# KiCad board SimulTypeUltra.kicad_pcb (continued)
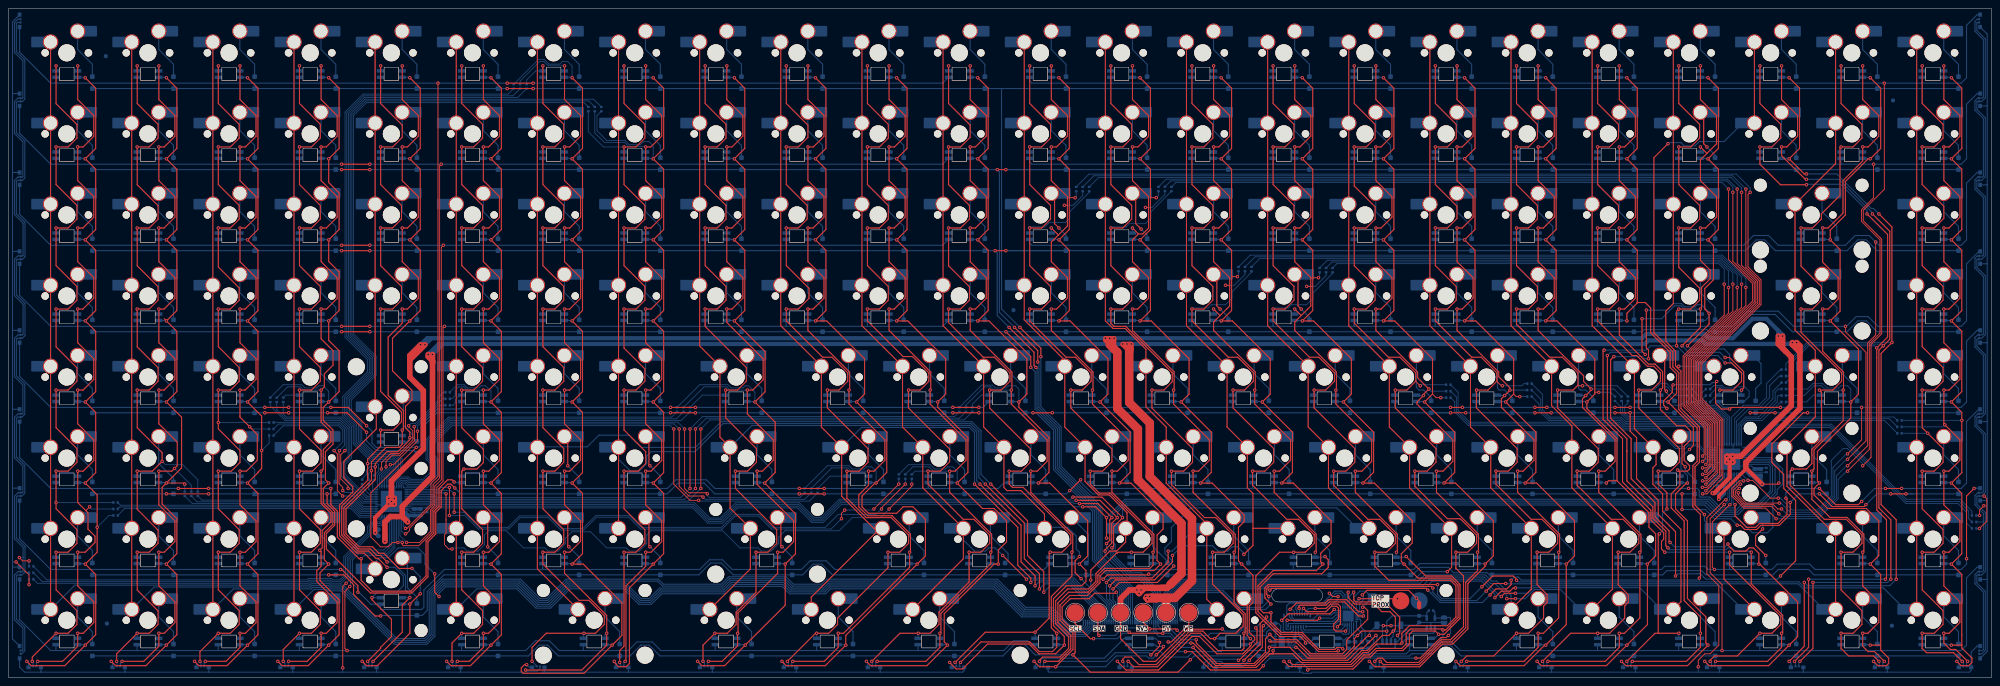
[diagram p0: board, top side]
## Routing (per net, layer and track width the routed paths; a pad name or vN(x,y) marks a point on that pad's centre or on a via; arc(x,y) is an arc through that point) (continued)
COL23: length 388.6
  Top w0.25: SW162.1 SW140.1 SW119.1 SW96.1 SW50.1 SW26.1 SW2.1
  Bottom w0.25: 81.08,18.59 78.41,21.27 75.47,21.27 75.14,21.6 71.26,21.6 70.92,21.26 34.18,21.26 SW162.1 ; 81.08,18.59 81.21,18.46 ; 81.08,18.59 90.97,8.7 97.84,8.7 99.22,10.08 99.22,19.84 102.03,22.64 120.05,22.64 124.6,18.1 126.54,18.1 131.09,22.64 152.39,22.64 153.56,21.47 167.52,21.47 169.26,23.21 182.37,23.21 184.11,21.47 191.1,21.47 192.27,22.64 232.01,22.64 238.61,16.04 244.79,16.04 249.36,11.47 252.14,11.47 252.89,12.22 J1.2
COL24: length 406.9
  Top w0.25: SW161.1 SW139.1 SW118.1 SW95.1 SW49.1 SW25.1 SW1.1
  Bottom w0.25: SW161.1 15.58,21.71 70.73,21.71 71.08,22.05 75.33,22.05 75.66,21.72 78.59,21.72 91.16,9.15 97.66,9.15 98.77,10.26 98.77,20.02 101.84,23.09 120.24,23.09 124.78,18.55 126.36,18.55 130.9,23.09 152.57,23.09 153.75,21.92 167.33,21.92 169.08,23.66 182.55,23.66 184.3,21.92 190.91,21.92 192.09,23.09 232.19,23.09 238.8,16.49 244.98,16.49 249.55,11.92 251.96,11.92 252.39,12.35 J1.1
G1: length 94
  Bottom w0.2: U4.27 88.3,37.11 87.35,36.16 85.5,36.16 84.72,35.38 84.72,33.85 79.13,28.26 79.13,23.73 77.94,22.54 76,22.54 75.67,22.88 70.63,22.88 70.29,22.53 7.92,22.53 R27.2
G2: length 62.6
  Bottom w0.2: R28.2 26.13,40.09 80.58,40.09 82.59,38.08 86.96,38.08 U4.30
G3: length 44.9
  Bottom w0.2: U4.33 82.99,39.38 81.08,41.29 44.27,41.29 R29.2
G4: length 42.4
  Top w0.2: 77.71,53.57 v1(77.71,53.32) 77.6,53.21 77.6,45.55 78.47,44.69 v1(78.47,43.92)
  Bottom w0.2: v1(77.71,53.32) 78.87,54.48 78.87,58.31 77.62,59.56 63.38,59.56 R30.2 ; v1(78.47,43.92) 78.92,43.48 80.59,43.48 83.09,40.98 U4.37
G5: length 42.6
  Bottom w0.2: U4.40 84.01,42.18 78.62,47.57 78.62,50.22 80.14,51.75 80.14,58.74 78.09,60.79 65.1,60.79 62.98,62.92 R31.2
G6: length 3.4
  Bottom w0.2: U4.43 85.42,43.38 84.57,44.23 R32.2
G7: length 28.7
  Top w0.2: v1(88.63,49.51) 88.63,50.78 90.09,52.24 91.93,52.24 95.32,55.63 95.32,58.82 v1(95.24,58.91)
  Bottom w0.2: R33.2 101.9,65.51 95.66,59.27 95.6,59.27 v1(95.24,58.91) ; v1(88.63,49.51) 88.63,49.01 87.1,47.48 U4.46
G8: length 144.5
  Bottom w0.2: R34.2 118.43,136.71 83.4,136.71 79.41,132.72 79.41,80.12 84.72,74.82 84.72,71.7 78.87,65.86 78.87,61.71 81.34,59.24 81.34,55.08 85.24,51.18 90.32,51.18 90.81,50.69 90.81,49.49 88.3,46.99 U4.49
G9: length 160.5
  Bottom w0.2: R35.2 136.24,135.51 83.9,135.51 80.61,132.23 80.61,80.62 85.92,75.32 85.92,71.2 80.07,65.36 80.07,62.2 82.54,59.73 82.54,55.58 85.74,52.38 90.82,52.38 92.01,51.19 92.01,49 91.47,48.45 ; 91.47,48.45 91.85,48.84 ; 91.47,48.45 89.5,46.49 U4.52
G10: length 81.7
  Bottom w0.2: U4.56 91.1,45.83 92.01,46.73 93.66,46.73 94.21,46.18 97.55,46.18 99.45,48.08 99.45,50.44 98.43,51.45 98.43,55.77 103.45,60.79 156.82,60.79 R36.2
G11: length 124.8
  Top w0.2: v1(163.06,42.4) 162.8,42.65 159.75,42.65 157.47,44.94 v1(157.47,58.4)
  Bottom w0.2: R37.2 186.9,41.86 163.6,41.86 v1(163.06,42.4) ; v1(157.47,58.4) 156.27,59.59 103.97,59.59 99.63,55.26 99.63,51.95 100.65,50.94 100.65,47.58 98.05,44.98 93.71,44.98 93.16,45.53 92.51,45.53 92.3,45.33 U4.59
G12: length 136.3
  Top w0.2: v1(104.64,38.84) v1(104.64,43.16) ; v1(204.97,39.6) 204.97,39.86 v1(210.55,45.45)
  Bottom w0.2: v1(204.97,39.6) 203.7,38.33 194.81,38.33 191.76,35.29 179.31,35.29 176.26,38.33 170.42,38.33 167.37,35.29 148.58,35.29 145.78,38.08 137.91,38.08 134.86,35.03 129.84,35.03 126.9,37.97 119.96,37.97 117.28,35.29 110.48,35.29 106.92,38.84 v1(104.64,38.84) ; v1(104.64,43.16) 103.87,43.92 101.73,43.92 101.59,43.78 U4.2 ; R38.2 v1(210.55,45.45)
G13: length 148.4
  Top w0.2: v1(161.28,58.4) v1(161.28,44.43)
  Bottom w0.2: U4.5 99.62,42.58 100.35,41.86 158.71,41.86 v1(161.28,44.43) ; R39.2 223.26,60.94 163.83,60.94 161.29,58.4 v1(161.28,58.4)
G14: length 246
  Top w0.2: v1(407.91,114.79) 407.91,96.44 411.07,93.29 411.07,87.78 397.18,73.89 397.18,65.39 402.11,60.46 402.11,47.49 398.54,43.92 v1(398.51,43.92)
  Bottom w0.2: R40.2 254.82,117.91 404.79,117.91 v1(407.91,114.79) ; v1(398.51,43.92) 398.77,43.92 399.78,44.94 399.78,45.49 400.63,46.34 401.83,46.34 402.5,47.01 U5.27
G15: length 219.6
  Top w0.2: v1(404.86,114.03) 404.86,97.79 409.87,92.79 409.87,88.27 395.98,74.39 395.98,64.89 400.91,59.96 400.91,48.38 398.74,46.21 v1(397.75,46.21)
  Bottom w0.2: v1(404.86,114.03) 404.86,115.3 403.45,116.71 272.89,116.71 R41.2 ; v1(397.75,46.21) 398.77,46.21 400.1,47.54 401,47.54 U5.30
G16: length 175.2
  Top w0.2: v1(398.51,48.49) 399.71,49.69 399.71,59.46 394.78,64.4 394.78,74.88 406.9,87 v1(406.9,92.44)
  Bottom w0.2: R42.2 292.67,98.86 402.22,98.86 406.9,94.19 v1(406.9,92.44) ; v1(398.51,48.49) 398.82,48.49 399.62,49.29 U5.33
G17: length 150.3
  Top w0.2: v1(403.85,91.67) 403.85,85.65 393.58,75.38 393.58,63.9 398.51,58.97 398.51,51.54 v1(397.75,50.78)
  Bottom w0.2: v1(403.85,91.67) 403.85,95.54 401.73,97.66 310.77,97.66 R43.2 ; U5.37 397.86,50.89 v1(397.75,50.78)
G18: length 70.8
  Bottom w0.2: R44.2 339.95,65.91 339.95,62.55 342.91,59.59 378.02,59.59 379.05,58.56 387.21,58.56 391.43,54.34 393.43,54.34 393.94,54.84 396.74,54.84 399.49,52.09 U5.40
G19: length 53.4
  Bottom w0.2: U5.43 399.99,53.29 399.13,54.15 399.13,58.74 398.11,59.76 379.97,59.76 ; 379.97,59.76 379.55,59.76 378.52,60.79 361.77,60.79 359.76,62.81 359.76,65.4 R45.2 ; 379.97,59.76 379.72,59.76
G20: length 31.5
  Bottom w0.2: 379.32,61.81 379.32,61.82 ; 379.32,61.81 378.96,62.18 378.96,64.75 R46.2 ; 379.32,61.81 380.17,60.96 400.37,60.96 401.3,60.04 U5.46
G21: length 16.2
  Bottom w0.2: U5.49 402.5,60.53 400.64,62.39 397.91,62.39 396.44,63.85 396.44,65.04 R47.2
G22: length 15.9
  Bottom w0.2: R48.2 397.75,65.51 397.75,64.24 398.41,63.59 401.14,63.59 403.7,61.03 U5.52
G23: length 22.9
  Bottom w0.2: U5.56 405.3,60.87 407.91,63.48 411.21,63.48 413.5,65.77 413.5,68.56 415.79,70.85 R49.2
G24: length 18
  Bottom w0.2: R50.2 415.53,66.27 415.28,66.02 415.28,64.76 411.35,60.83 408.01,60.83 406.5,59.32 U5.59
G25: length 39.7
  Bottom w0.2: U5.2 408.05,53.69 415.18,60.82 441.56,60.82 R51.2
G26: length 66.6
  Bottom w0.2: U5.5 408.55,52.49 415.2,59.14 427.8,59.14 445.56,41.38 457.98,41.38 460.24,39.13 460.24,37.32 R52.2
R1: length 94.2
  Bottom w0.2: U4.26 88.7,36.94 87.52,35.76 85.66,35.76 85.12,35.21 85.12,33.69 79.53,28.1 79.53,23.57 78.1,22.14 75.84,22.14 75.5,22.48 70.85,22.48 70.51,22.13 6.79,22.13 R1.2
R2: length 64.1
  Bottom w0.2: U4.29 87.5,37.44 87.3,37.23 86.91,37.23 86.46,37.68 82.43,37.68 80.42,39.69 27.25,39.69 R2.2
R3: length 46.6
  Bottom w0.2: R3.2 43.15,40.89 80.92,40.89 82.82,38.98 U4.32
R4: length 43.8
  Top w0.2: v1(78.47,42.65) 77.2,43.92 77.2,52.56 v1(76.44,53.32)
  Bottom w0.2: U4.35 83.32,40.18 80.85,42.65 v1(78.47,42.65) ; R4.2 64.51,59.16 77.46,59.16 78.47,58.15 78.47,55.35 v1(76.44,53.32)
R5: length 43.8
  Bottom w0.2: U4.39 83.66,41.78 78.22,47.22 78.22,50.39 79.74,51.91 79.74,58.57 77.92,60.39 64.93,60.39 61.46,63.87 R5.2
R6: length 4.9
  Bottom w0.2: R6.2 83.05,44.69 84.75,42.98 U4.42
R7: length 32.4
  Top w0.2: v1(87.56,49) 87.56,50.46 89.73,52.64 91.76,52.64 94.92,55.8 94.92,57.95 93.97,58.91 v1(93.97,59.16)
  Bottom w0.2: v1(87.56,49) 87.56,48.5 86.6,47.55 86.6,44.33 U4.45 ; v1(93.97,59.16) 94.48,59.67 95.49,59.67 100.83,65 100.83,65.77 102.09,67.04 R7.2
R8: length 143.5
  Bottom w0.2: R8.2 117.31,137.11 83.23,137.11 79.01,132.89 79.01,79.96 84.32,74.66 84.32,71.86 78.47,66.02 78.47,61.54 80.94,59.07 80.94,54.91 85.08,50.78 90.16,50.78 90.41,50.53 90.41,49.66 87.9,47.15 U4.48
R9: length 162.8
  Bottom w0.2: R9.2 137.37,135.91 83.73,135.91 80.21,132.39 80.21,80.46 85.52,75.15 85.52,71.37 79.67,65.52 79.67,62.04 82.14,59.57 82.14,55.41 85.57,51.98 90.65,51.98 91.61,51.02 91.61,49.16 91.06,48.61 ; 91.06,48.61 91.44,48.99 ; 91.06,48.61 89.1,46.65 U4.51
R10: length 80.8
  Bottom w0.2: R10.2 155.69,61.19 103.29,61.19 98.03,55.94 98.03,51.29 99.05,50.27 99.05,48.24 97.39,46.58 94.38,46.58 93.83,47.13 91.84,47.13 90.3,45.59 U4.54
R11: length 124.3
  Top w0.2: v1(158.74,58.4) 158.74,44.43 159.75,43.41 163.82,43.41 v1(164.07,43.16)
  Bottom w0.2: v1(164.07,43.16) 164.07,42.77 164.58,42.26 185.78,42.26 R11.2 ; v1(158.74,58.4) 157.14,59.99 103.8,59.99 99.23,55.43 99.23,51.79 100.25,50.77 100.25,47.74 97.89,45.38 93.88,45.38 93.33,45.93 92.34,45.93 91.9,45.5 U4.58
R12: length 137.4
  Top w0.2: v1(209.03,45.45) v1(203.19,39.6) ; v1(103.52,44.67) v1(103.52,38.08) ; v1(195.57,37.32) 195.57,38.59 v1(196.33,39.35)
  Bottom w0.2: v1(103.52,38.08) 107.12,38.08 110.31,34.89 117.44,34.89 120.13,37.57 126.73,37.57 129.67,34.63 135.03,34.63 138.07,37.68 145.62,37.68 148.41,34.89 167.54,34.89 170.59,37.94 176.1,37.94 179.15,34.89 193.14,34.89 v1(195.57,37.32) ; U4.1 101.08,44.18 101.57,44.67 v1(103.52,44.67) ; v1(196.33,39.35) 202.93,39.35 v1(203.19,39.6) ; R12.2 v1(209.03,45.45)
R13: length 146.8
  Top w0.2: v1(160.01,58.4) v1(160.01,44.43)
  Bottom w0.2: R13.2 222.13,61.34 162.95,61.34 v1(160.01,58.4) ; U4.4 99.79,42.98 100.51,42.26 157.84,42.26 v1(160.01,44.43)
R14: length 252.7
  Top w0.2: v1(397.75,43.16) 398.77,43.16 402.51,46.91 402.51,60.62 397.58,65.56 397.58,73.72 411.47,87.61 411.47,93.45 408.42,96.5 408.42,113.52 v1(408.93,114.03)
  Bottom w0.2: v1(397.75,43.16) 398.77,43.16 400.3,44.7 400.3,45.45 400.8,45.94 401.99,45.94 402.9,46.85 U5.26 ; v1(408.93,114.03) 408.93,115.04 405.66,118.31 253.7,118.31 R14.2
R15: length 222.2
  Top w0.2: v1(405.88,114.79) 405.88,97.34 410.27,92.96 410.27,88.11 396.38,74.22 396.38,65.06 401.31,60.13 401.31,48.22 398.54,45.45 v1(398.51,45.45)
  Bottom w0.2: v1(405.88,114.79) 405.88,114.85 403.61,117.11 271.8,117.11 R15.2 ; v1(398.51,45.45) 398.61,45.45 400.3,47.14 401.5,47.14 401.7,47.34 U5.29
R16: length 180.8
  Top w0.2: v1(397.75,47.73) 398.74,47.73 400.11,49.11 400.11,59.63 395.18,64.56 395.18,74.72 407.91,87.45 v1(407.91,91.67)
  Bottom w0.2: v1(397.75,47.73) 398.77,47.73 399.92,48.89 U5.32 ; v1(407.91,91.67) 407.91,93.74 402.39,99.26 291.55,99.26 R16.2
R17: length 152.9
  Top w0.2: v1(404.86,92.44) 404.86,86.1 393.98,75.21 393.98,64.07 398.91,59.13 398.91,50.49 v1(398.51,50.09)
  Bottom w0.2: v1(404.86,92.44) 404.86,95.09 401.89,98.06 309.65,98.06 R17.2 ; v1(398.51,50.09) U5.35
R18: length 69.8
  Bottom w0.2: U5.39 399.33,51.69 396.58,54.44 394.29,54.44 393.69,53.83 391.37,53.83 387.04,58.16 378.89,58.16 377.86,59.19 342.74,59.19 339.55,62.39 339.55,64.79 R18.2
R19: length 52
  Bottom w0.2: R19.2 359.36,64.28 359.36,62.64 361.61,60.39 378.35,60.39 379.39,59.36 397.81,59.36 398.73,58.44 398.73,53.98 399.82,52.89 U5.42
R20: length 32.3
  Bottom w0.2: U5.45 400.65,59.82 399.91,60.56 380.01,60.56 378.45,62.12 378.45,63.73 R20.2
R21: length 14.8
  Bottom w0.2: R21.2 395.72,64.75 395.97,64.5 395.97,63.76 397.74,61.99 400.48,61.99 402.1,60.37 U5.48
R22: length 17.7
  Bottom w0.2: U5.51 403.3,60.86 400.98,63.19 398.24,63.19 397.24,64.19 397.24,66.53 R22.2
R23: length 24.8
  Bottom w0.2: U5.54 404.5,61.12 407.37,63.99 410.96,63.99 412.74,65.77 412.74,69.07 416.04,72.37 R23.2
R24: length 19.6
  Bottom w0.2: R24.2 415.53,67.8 414.77,67.04 414.77,65.04 410.96,61.23 407.84,61.23 406.1,59.49 U5.58
R25: length 39.2
  Bottom w0.2: U5.1 407.88,54.09 415.01,61.22 442.68,61.22 R25.2
R26: length 65.7
  Bottom w0.2: R26.2 460.99,39.1 458.2,41.89 445.62,41.89 427.97,59.54 415.03,59.54 408.38,52.89 U5.4
ROW1: length 576.3
  Top w0.25: v1(242.38,75.42) 242.38,77.37 v1(237.48,82.28) ; v1(123.18,138.41) 123.18,138.41 v1(117.08,138.41)
  Bottom w0.25: J1.24 263.89,21.32 256.75,28.46 256.75,40.03 247.15,49.62 247.15,58.89 242.38,63.66 v1(242.38,75.42) ; 233.16,138.41 123.18,138.41 v1(123.18,138.41) ; 233.16,138.41 233.16,86.59 v1(237.48,82.28) ; 233.16,138.41 D24.1 ; D1.1 v1(117.08,138.41)
ROW2: length 571.5
  Top w0.25: v1(78.22,119.36) v1(84.82,119.36) ; v1(241.66,74.15) 241.66,76.83 v1(236.21,82.28) ; v1(234.18,119.36) v1(232.14,119.36)
  Bottom w0.25: D25.1 v1(78.22,119.36) ; v1(241.66,74.15) 241.93,73.87 241.93,63.48 246.7,58.71 246.7,49.44 256.3,39.84 256.3,28.28 263.39,21.18 J1.23 ; D48.1 v1(234.18,119.36) D37.1 ; v1(236.21,82.28) 232.65,85.83 232.65,118.85 v1(232.14,119.36) v1(84.82,119.36)
ROW3: length 556.7
  Top w0.25: v1(241.21,72.88) 240.78,73.31 240.78,76.43 v1(234.94,82.28) ; v1(78.22,100.31) v1(84.82,100.31) ; v1(231.64,100.31) v1(234.18,100.31)
  Bottom w0.25: D71.1 438.72,100.31 436.18,102.86 434.22,102.86 431.67,100.31 D70.1 414.85,100.31 412.3,102.86 410.34,102.86 407.8,100.31 D69.1 234.18,100.31 ; 234.18,100.31 v1(234.18,100.31) ; 234.18,100.31 D61.1 ; D49.1 v1(78.22,100.31) ; v1(241.21,72.88) 241.48,72.6 241.48,63.29 246.25,58.52 246.25,49.25 255.85,39.66 255.85,28.09 262.89,21.05 J1.22 ; v1(234.94,82.28) 232.14,85.07 232.14,99.8 v1(231.64,100.31) 231.63,100.31 v1(84.82,100.31)
ROW4: length 524
  Top w0.25: v1(234.18,81.26) 240.02,75.42 v1(240.02,72.88) ; v1(78.22,81.26) v1(84.82,81.26)
  Bottom w0.25: D72.1 v1(78.22,81.26) ; v1(84.82,81.26) v1(234.18,81.26) D84.1 383.53,81.26 384.04,81.77 398.77,81.77 399.28,81.26 D92.1 404.68,81.26 408.74,85.32 414.77,85.32 418.83,81.26 D93.1 431.67,81.26 434.22,83.81 436.18,83.81 438.72,81.26 D94.1 ; v1(240.02,72.88) 241.03,71.86 241.03,63.1 245.8,58.33 245.8,49.06 255.4,39.47 255.4,27.91 262.39,20.91 J1.21
ROW5: length 613.2
  Top w0.2: v1(338.57,62.21) v1(342.13,62.21)
  Top w0.25: v1(391.4,23.86) 391.4,34.27 387.34,38.33 387.34,41.64 382.26,46.72 382.26,56.37 380.73,57.89 v1(380.73,62.21) v1(377.18,62.21) ; v1(422.39,62.21) 421.37,62.21 414.01,54.84 414.01,50.53 416.8,47.73 416.8,44.43 419.6,41.64 419.6,27.41 v1(416.04,23.86) ; v1(84.06,57.64) 79.49,62.21 v1(74.92,62.21) ; v1(245.1,62.21) v1(240.53,62.21) ; v1(358.38,62.21) v1(362.19,62.21) ; v1(414.77,62.21) 408.93,62.21 v1(408.93,62.21) ; v1(155.44,62.21) v1(161.28,62.21) ; v1(60.19,62.21) v1(65.77,62.21) ; v1(221.73,62.21) v1(227.83,62.21)
  Bottom w0.2: D111.1 v1(338.57,62.21)
  Bottom w0.25: D98.1 v1(65.77,62.21) ; v1(416.04,23.86) 415.28,23.09 398.51,23.09 397.24,24.36 391.91,24.36 v1(391.4,23.86) ; v1(342.13,62.21) v1(358.38,62.21) ; v1(221.73,62.21) v1(161.28,62.21) ; J1.20 261.89,20.77 254.95,27.72 254.95,39.28 245.35,48.88 245.35,58.15 241.29,62.21 v1(240.53,62.21) 240.52,62.21 v1(227.83,62.21) ; D117.1 v1(422.39,62.21) v1(414.77,62.21) ; D95.1 v1(60.19,62.21) ; v1(377.18,62.21) v1(362.19,62.21) ; v1(338.57,62.21) D107.1 245.1,62.21 v1(245.1,62.21) ; D115.1 410.21,62.21 v1(408.93,62.21) ; v1(84.06,57.64) 84.06,55.61 86.35,53.32 95.25,53.32 D99.1 97.52,54.33 97.52,59.16 100.57,62.21 D100.1 v1(155.44,62.21) ; v1(380.73,62.21) D114.1
ROW6: length 543.5
  Top w0.2: v1(37.07,43.16) v1(46.98,43.16)
  Top w0.25: v1(392.93,39.48) v1(392.93,43.16) ; v1(418.33,41.13) 418.33,38.33 415.75,35.76 411.43,35.76 410.45,34.78 407.66,34.78 406.64,35.79 v1(405.88,35.79) ; v1(74.8,43.16) 74.8,40.86 76.58,39.08 76.58,35.8 74.61,33.83 74.61,30.21 84.96,19.85 94.66,19.85 98.48,23.67 98.48,31.9 100.32,33.74 100.32,38.82 101.59,40.09 101.59,43.92 103.11,45.45 103.87,45.45 v1(104.79,44.53) ; v1(425.18,43.16) 428.18,40.17 435.65,40.17 v1(436.11,40.62) ; v1(249.16,43.92) v1(251.7,46.46) ; v1(185.66,43.16) v1(191.5,43.16) ; v1(441.95,43.16) v1(445.5,43.16)
  Bottom w0.2: D119.1 v1(37.07,43.16)
  Bottom w0.25: v1(436.11,40.62) 438.65,43.16 v1(441.95,43.16) ; v1(249.16,43.92) 249.67,43.92 254.5,39.1 254.5,27.53 261.39,20.64 J1.19 ; v1(249.16,43.92) 248.4,43.16 D128.1 D127.1 v1(191.5,43.16) ; v1(249.16,43.92) 249.16,43.92 ; v1(392.93,39.48) 398.39,39.48 400.55,37.32 404.36,37.32 v1(405.88,35.79) ; v1(37.07,43.16) D118.1 ; D136.1 v1(392.93,43.16) D129.1 254.49,43.16 251.7,45.95 v1(251.7,46.46) ; v1(104.79,44.53) 106.16,43.16 154.67,43.16 157.21,45.7 163.31,45.7 165.85,43.16 v1(185.66,43.16) ; D137.1 v1(425.18,43.16) 420.36,43.16 v1(418.33,41.13) ; D121.1 v1(74.8,43.16) v1(46.98,43.16) ; 447.28,43.16 v1(445.5,43.16) D138.1
ROW7: length 475.4
  Top w0.25: v1(267.71,24.3) 267.53,24.11 258.02,24.11 v1(257,23.09) ; v1(87.36,14.46) 86.09,14.46 81.01,19.54 81.01,21.82 78.73,24.11 v1(75.17,24.11)
  Bottom w0.25: 87.24,14.59 v1(87.36,14.46) 87.49,14.59 D143.1 97.14,14.59 98.32,15.76 98.32,20.21 102.22,24.11 D144.1 D146.1 162.04,24.11 164.83,26.91 167.37,26.91 170.17,24.11 D147.1 186.4,24.11 188.95,26.66 190.91,26.66 193.45,24.11 254.49,24.11 ; D142.1 v1(75.17,24.11) D139.1 ; D154.1 329.68,24.11 331.46,25.89 338.06,25.89 339.33,24.62 347.21,24.62 347.71,24.11 D155.1 348.45,24.27 367.19,24.27 D156.1 388.35,24.11 389.37,25.13 397.5,25.13 398.51,24.11 414.26,24.11 415.53,25.38 422.64,25.38 423.91,24.11 D160.1 457.58,24.36 ; D154.1 329.5,24.36 ; D154.1 D151.1 267.9,24.11 v1(267.71,24.3) ; J1.18 260.89,20.5 258.3,23.09 v1(257,23.09) 255.98,24.11 254.5,24.11 254.49,24.11 ; 254.49,24.11 D150.1
ROW8: length 484
  Top w0.25: v1(277.48,4.17) 274.56,1.25 253.99,1.25 v1(249.92,5.31) 250.43,5.82 250.43,10.65 247.38,13.7 247.38,16.62 249.29,18.52 253.73,18.52 255,19.79 259.83,19.79 v1(260.08,20.05)
  Bottom w0.25: v1(277.48,4.17) 278.37,5.06 D170.1 293.56,5.03 328.89,5.03 329.43,5.57 329.68,5.57 329.68,5.57 334.25,5.57 336.29,7.61 338.51,7.61 341.05,5.06 D171.1 D176.1 ; v1(249.92,5.31) 241.04,5.31 238.5,7.85 236.25,7.85 233.45,5.06 D169.1 D167.1 152.97,5.06 150.43,7.61 148.47,7.61 145.92,5.06 D166.1 129.1,5.06 126.55,7.61 124.59,7.61 122.05,5.06 D165.1 D161.1 ; v1(260.08,20.05) 260.39,19.74 J1.17
SW1_L: length 354
  Top w0.2: v1(93.21,35.03) 93.53,35.03 99.17,40.67 99.17,45.57 100.83,47.22 v1(100.83,139.68)
  Top w0.25: v1(117.08,139.68) v1(123.18,139.68)
  Bottom w0.2: v1(93.21,35.03) 92.7,35.53 U4.16
  Bottom w0.25: 144.51,139.68 144.48,139.71 LED8.4 ; 144.51,139.68 125.46,139.68 ; 144.51,139.68 163.56,139.68 ; 87.36,139.68 v1(100.83,139.68) 106.41,139.68 ; 87.36,139.68 68.31,139.68 ; 87.36,139.68 87.33,139.71 LED5.4 ; 30.18,141.06 30.18,139.71 30.21,139.68 ; 30.21,139.68 11.16,139.68 ; 30.21,139.68 49.26,139.68 ; 11.16,139.68 9.89,139.68 2.6,146.98 LED181.4 ; 11.16,139.68 11.13,139.71 11.13,141.06 ; LED11.4 201.63,139.71 201.66,139.68 ; 106.41,139.68 106.38,139.71 106.38,141.06 ; 106.41,139.68 v1(117.08,139.68) ; 201.66,139.68 219.3,139.68 LED12.4 ; 201.66,139.68 182.61,139.68 ; 182.61,139.68 182.58,139.71 LED10.4 ; 182.61,139.68 163.56,139.68 ; 163.56,139.68 163.53,139.71 LED9.4 ; 68.31,139.68 49.26,139.68 ; 68.31,139.68 68.28,139.71 LED4.4 ; 49.26,139.68 49.23,139.71 LED3.4 ; 125.46,139.68 v1(123.18,139.68) ; 125.46,139.68 125.43,139.71 125.43,141.06
SW1_R: length 393.9
  Top w0.2: v1(440.42,139.68) 440.42,114.73 435.47,109.78 435.47,107.35 439.81,103.02 439.81,80.78 437.31,78.28 437.31,51.73 v1(435.34,49.76) ; v1(408.42,46.33) 409.49,46.33 413.68,42.14 v1(415.53,42.14)
  Bottom w0.2: v1(435.34,49.76) 435.34,50.27 431.79,53.83 430.77,53.83 427.98,51.03 427.98,42.65 424.68,39.35 418.81,39.35 416.01,42.14 v1(415.53,42.14) ; v1(408.42,46.33) 408.41,46.33 U5.16
  Bottom w0.25: 392.16,139.68 373.11,139.68 ; 392.16,139.68 392.13,139.71 392.13,141.06 ; 392.16,139.68 411.21,139.68 ; 373.11,139.68 354.06,139.68 ; 373.11,139.68 373.08,139.71 LED20.4 ; 315.96,139.68 296.91,139.68 ; 315.96,139.68 315.93,139.71 LED17.4 ; 315.96,139.68 335.01,139.68 ; 296.91,139.68 277.86,139.68 ; 296.91,139.68 296.88,139.71 LED16.4 ; 258.81,139.68 240.27,139.68 239.73,140.22 LED13.4 ; 258.81,139.68 277.86,139.68 ; 258.81,139.68 258.78,139.71 LED14.4 ; LED23.4 430.23,139.71 430.26,139.68 ; 277.86,139.68 277.83,139.71 LED15.4 ; 335.01,139.68 334.98,139.71 LED18.4 ; 335.01,139.68 354.06,139.68 ; LED19.4 354.03,139.71 354.06,139.68 ; 411.21,139.68 411.18,139.71 LED22.4 ; 411.21,139.68 430.26,139.68 ; 430.26,139.68 v1(440.42,139.68) 449.31,139.68 ; LED24.4 449.28,139.71 449.31,139.68 ; 449.31,139.68 458.46,139.68 459.73,140.95 459.73,153.29 462.23,155.79 LED222.4
SW2_L: length 338.5
  Top w0.2: v1(101.59,120.63) 101.23,120.27 101.23,46.86 99.68,45.32 99.68,40.62 94.16,35.09 94.16,34.54 93.39,33.76 v1(93.21,33.76)
  Top w0.25: v1(78.22,120.63) v1(84.82,120.63)
  Bottom w0.2: U4.17 92.3,34.41 92.95,33.76 v1(93.21,33.76)
  Bottom w0.25: 11.16,120.63 30.21,120.63 ; 11.16,120.63 11.13,120.66 11.13,122.01 ; 11.16,120.63 9.89,120.63 2.6,127.92 LED182.4 ; 30.21,120.63 30.18,120.66 30.18,122.01 ; 30.21,120.63 49.26,120.63 ; 201.66,120.63 219.3,120.63 LED36.4 ; 201.66,120.63 201.63,120.66 LED35.4 ; 201.66,120.63 182.61,120.63 ; 144.51,120.63 144.48,120.66 LED32.4 ; 144.51,120.63 125.46,120.63 ; 144.51,120.63 163.56,120.63 ; v1(84.82,120.63) 87.36,120.63 ; 87.36,120.63 87.33,120.66 LED29.4 ; 87.36,120.63 v1(101.59,120.63) 106.41,120.63 ; 182.61,120.63 182.58,120.66 LED34.4 ; 182.61,120.63 163.56,120.63 ; 106.41,120.63 125.46,120.63 ; 106.41,120.63 106.38,120.66 106.38,122.01 ; 125.46,120.63 125.43,120.66 125.43,122.01 ; 163.56,120.63 163.53,120.66 LED33.4 ; LED28.4 68.28,120.66 68.31,120.63 ; 49.26,120.63 68.31,120.63 ; 49.26,120.63 49.23,120.66 LED27.4 ; 68.31,120.63 v1(78.22,120.63)
SW2_R: length 376.2
  Top w0.2: v1(437.88,120.63) 437.88,112.76 435.07,109.94 435.07,107.19 439.41,102.85 439.41,80.95 436.91,78.45 436.91,53.61 v1(431.79,48.49) ; v1(415.02,37.32) 412.55,39.79 407.47,39.79 404.63,42.63 404.63,44.43 406.41,46.21 v1(407.4,46.21)
  Bottom w0.2: v1(431.79,48.49) 431.53,48.49 429.58,46.54 429.58,41.99 424.91,37.32 v1(415.02,37.32) ; v1(407.4,46.21) 406.5,47.11 U5.17
  Bottom w0.25: 392.16,120.63 392.13,120.66 392.13,122.01 ; 392.16,120.63 411.21,120.63 ; 392.16,120.63 373.11,120.63 ; LED42.4 334.98,120.66 335.01,120.63 ; LED46.4 411.18,120.66 411.21,120.63 ; 411.21,120.63 430.26,120.63 ; LED43.4 354.03,120.66 354.06,120.63 ; LED41.4 315.93,120.66 315.96,120.63 ; 315.96,120.63 335.01,120.63 ; 315.96,120.63 296.91,120.63 ; 335.01,120.63 354.06,120.63 ; LED40.4 296.88,120.66 296.91,120.63 ; LED47.4 430.23,120.66 430.26,120.63 ; 373.11,120.63 373.08,120.66 LED44.4 ; 373.11,120.63 354.06,120.63 ; 258.81,120.63 277.86,120.63 ; 258.81,120.63 240.27,120.63 239.73,121.17 LED37.4 ; 258.81,120.63 258.78,120.66 LED38.4 ; 277.86,120.63 296.91,120.63 ; 277.86,120.63 277.83,120.66 LED39.4 ; LED221.4 462.23,137.24 459.73,134.74 459.73,121.9 458.46,120.63 449.31,120.63 ; 430.26,120.63 v1(437.88,120.63) 449.31,120.63 ; 449.31,120.63 449.28,120.66 LED48.4
SW3_L: length 326
  Top w0.2: v1(93.46,31.73) 96.51,31.73 99.05,34.27 99.05,39.35 100.09,40.4 100.09,44.97 101.63,46.5 101.63,101.11 v1(102.1,101.58)
  Top w0.25: v1(78.22,101.58) v1(84.82,101.58)
  Bottom w0.2: v1(93.46,31.73) 91.9,33.29 U4.18
  Bottom w0.25: v1(84.82,101.58) 87.36,101.58 ; 87.36,101.58 v1(102.1,101.58) 106.41,101.58 ; 87.36,101.58 87.33,101.61 LED53.4 ; 30.18,102.96 30.18,101.61 30.21,101.58 ; 125.43,102.96 125.43,101.61 125.46,101.58 ; 49.26,101.58 49.23,101.61 LED51.4 ; 49.26,101.58 68.31,101.58 ; 49.26,101.58 30.21,101.58 ; 68.31,101.58 68.28,101.61 LED52.4 ; 68.31,101.58 v1(78.22,101.58) ; 125.46,101.58 144.51,101.58 ; 125.46,101.58 106.41,101.58 ; 144.51,101.58 163.56,101.58 ; 144.51,101.58 144.48,101.61 LED56.4 ; LED60.4 219.3,101.58 201.66,101.58 ; 30.21,101.58 11.16,101.58 ; 163.56,101.58 182.61,101.58 ; 163.56,101.58 163.53,101.61 LED57.4 ; 182.61,101.58 182.58,101.61 LED58.4 ; 182.61,101.58 201.66,101.58 ; 201.66,101.58 201.63,101.61 LED59.4 ; 11.16,101.58 9.89,101.58 2.6,108.87 LED183.4 ; 11.16,101.58 11.13,101.61 11.13,102.96 ; 106.41,101.58 106.38,101.61 106.38,102.96
SW3_R: length 355.1
  Top w0.2: v1(406.64,45.45) 406.41,45.45 405.03,44.07 405.03,42.8 407.64,40.19 413.93,40.19 v1(415.66,38.46) ; v1(431.79,49.76) 436.51,54.48 436.51,78.61 438.39,80.5 v1(438.39,102.34)
  Bottom w0.2: U5.18 406.1,45.99 v1(406.64,45.45) ; v1(415.66,38.46) 416.29,37.83 424.85,37.83 429.18,42.16 429.18,47.41 431.53,49.76 v1(431.79,49.76)
  Bottom w0.25: 449.31,101.58 458.46,101.58 459.73,102.85 459.73,116.19 462.23,118.69 LED220.4 ; 449.31,101.58 449.28,101.61 LED71.4 ; 449.31,101.58 439.15,101.58 v1(438.39,102.34) 436.87,103.87 433.57,103.87 431.28,101.58 420.61,101.58 ; LED70.4 420.71,101.68 420.61,101.58 ; 392.16,101.58 407.4,101.58 409.69,103.87 413.25,103.87 415.53,101.58 420.61,101.58 ; 392.16,101.58 392.13,101.61 392.13,102.96 ; 392.16,101.58 373.11,101.58 ; 277.86,101.58 296.91,101.58 ; 277.86,101.58 258.81,101.58 ; 277.86,101.58 277.83,101.61 LED63.4 ; 296.91,101.58 315.96,101.58 ; 296.91,101.58 296.88,101.61 LED64.4 ; LED61.4 239.73,102.12 240.27,101.58 258.81,101.58 ; LED67.4 354.03,101.61 354.06,101.58 ; 258.81,101.58 258.78,101.61 LED62.4 ; LED68.4 373.08,101.61 373.11,101.58 ; 315.96,101.58 315.93,101.61 LED65.4 ; 315.96,101.58 335.01,101.58 ; LED66.4 334.98,101.61 335.01,101.58 ; 354.06,101.58 373.11,101.58 ; 354.06,101.58 335.01,101.58
SW4_L: length 309.5
  Top w0.2: v1(92.44,31.73) 92.44,31.22 92.7,30.97 96.31,30.97 99.45,34.11 99.45,39.19 100.57,40.31 100.57,44.69 102.03,46.14 102.03,82.21 v1(102.35,82.53)
  Top w0.25: v1(78.22,82.53) v1(84.82,82.53)
  Bottom w0.2: v1(92.44,31.73) 91.5,32.67 U4.19
  Bottom w0.25: 125.43,83.91 125.43,82.56 125.46,82.53 ; LED79.4 144.48,82.56 144.51,82.53 ; LED82.4 201.63,82.56 201.66,82.53 ; LED83.4 219.3,82.53 201.66,82.53 ; 49.26,82.53 49.23,82.56 LED74.4 ; 49.26,82.53 30.21,82.53 ; 49.26,82.53 68.31,82.53 ; LED76.4 87.33,82.56 87.36,82.53 ; 106.41,82.53 v1(102.35,82.53) 87.36,82.53 ; 106.41,82.53 125.46,82.53 ; 106.41,82.53 106.38,82.56 106.38,83.91 ; 125.46,82.53 144.51,82.53 ; 182.61,82.53 182.58,82.56 LED81.4 ; 182.61,82.53 201.66,82.53 ; 182.61,82.53 163.56,82.53 ; 30.21,82.53 11.16,82.53 ; 30.21,82.53 30.18,82.56 30.18,83.91 ; LED75.4 68.28,82.56 68.31,82.53 ; v1(84.82,82.53) 87.36,82.53 ; 144.51,82.53 163.56,82.53 ; 163.56,82.53 163.53,82.56 LED80.4 ; 11.16,82.53 9.89,82.53 2.6,89.82 LED184.4 ; 11.16,82.53 11.13,82.56 11.13,83.91 ; 68.31,82.53 v1(78.22,82.53)
